# KiCad board SmallDSPMulti.kicad_pcb (continued)
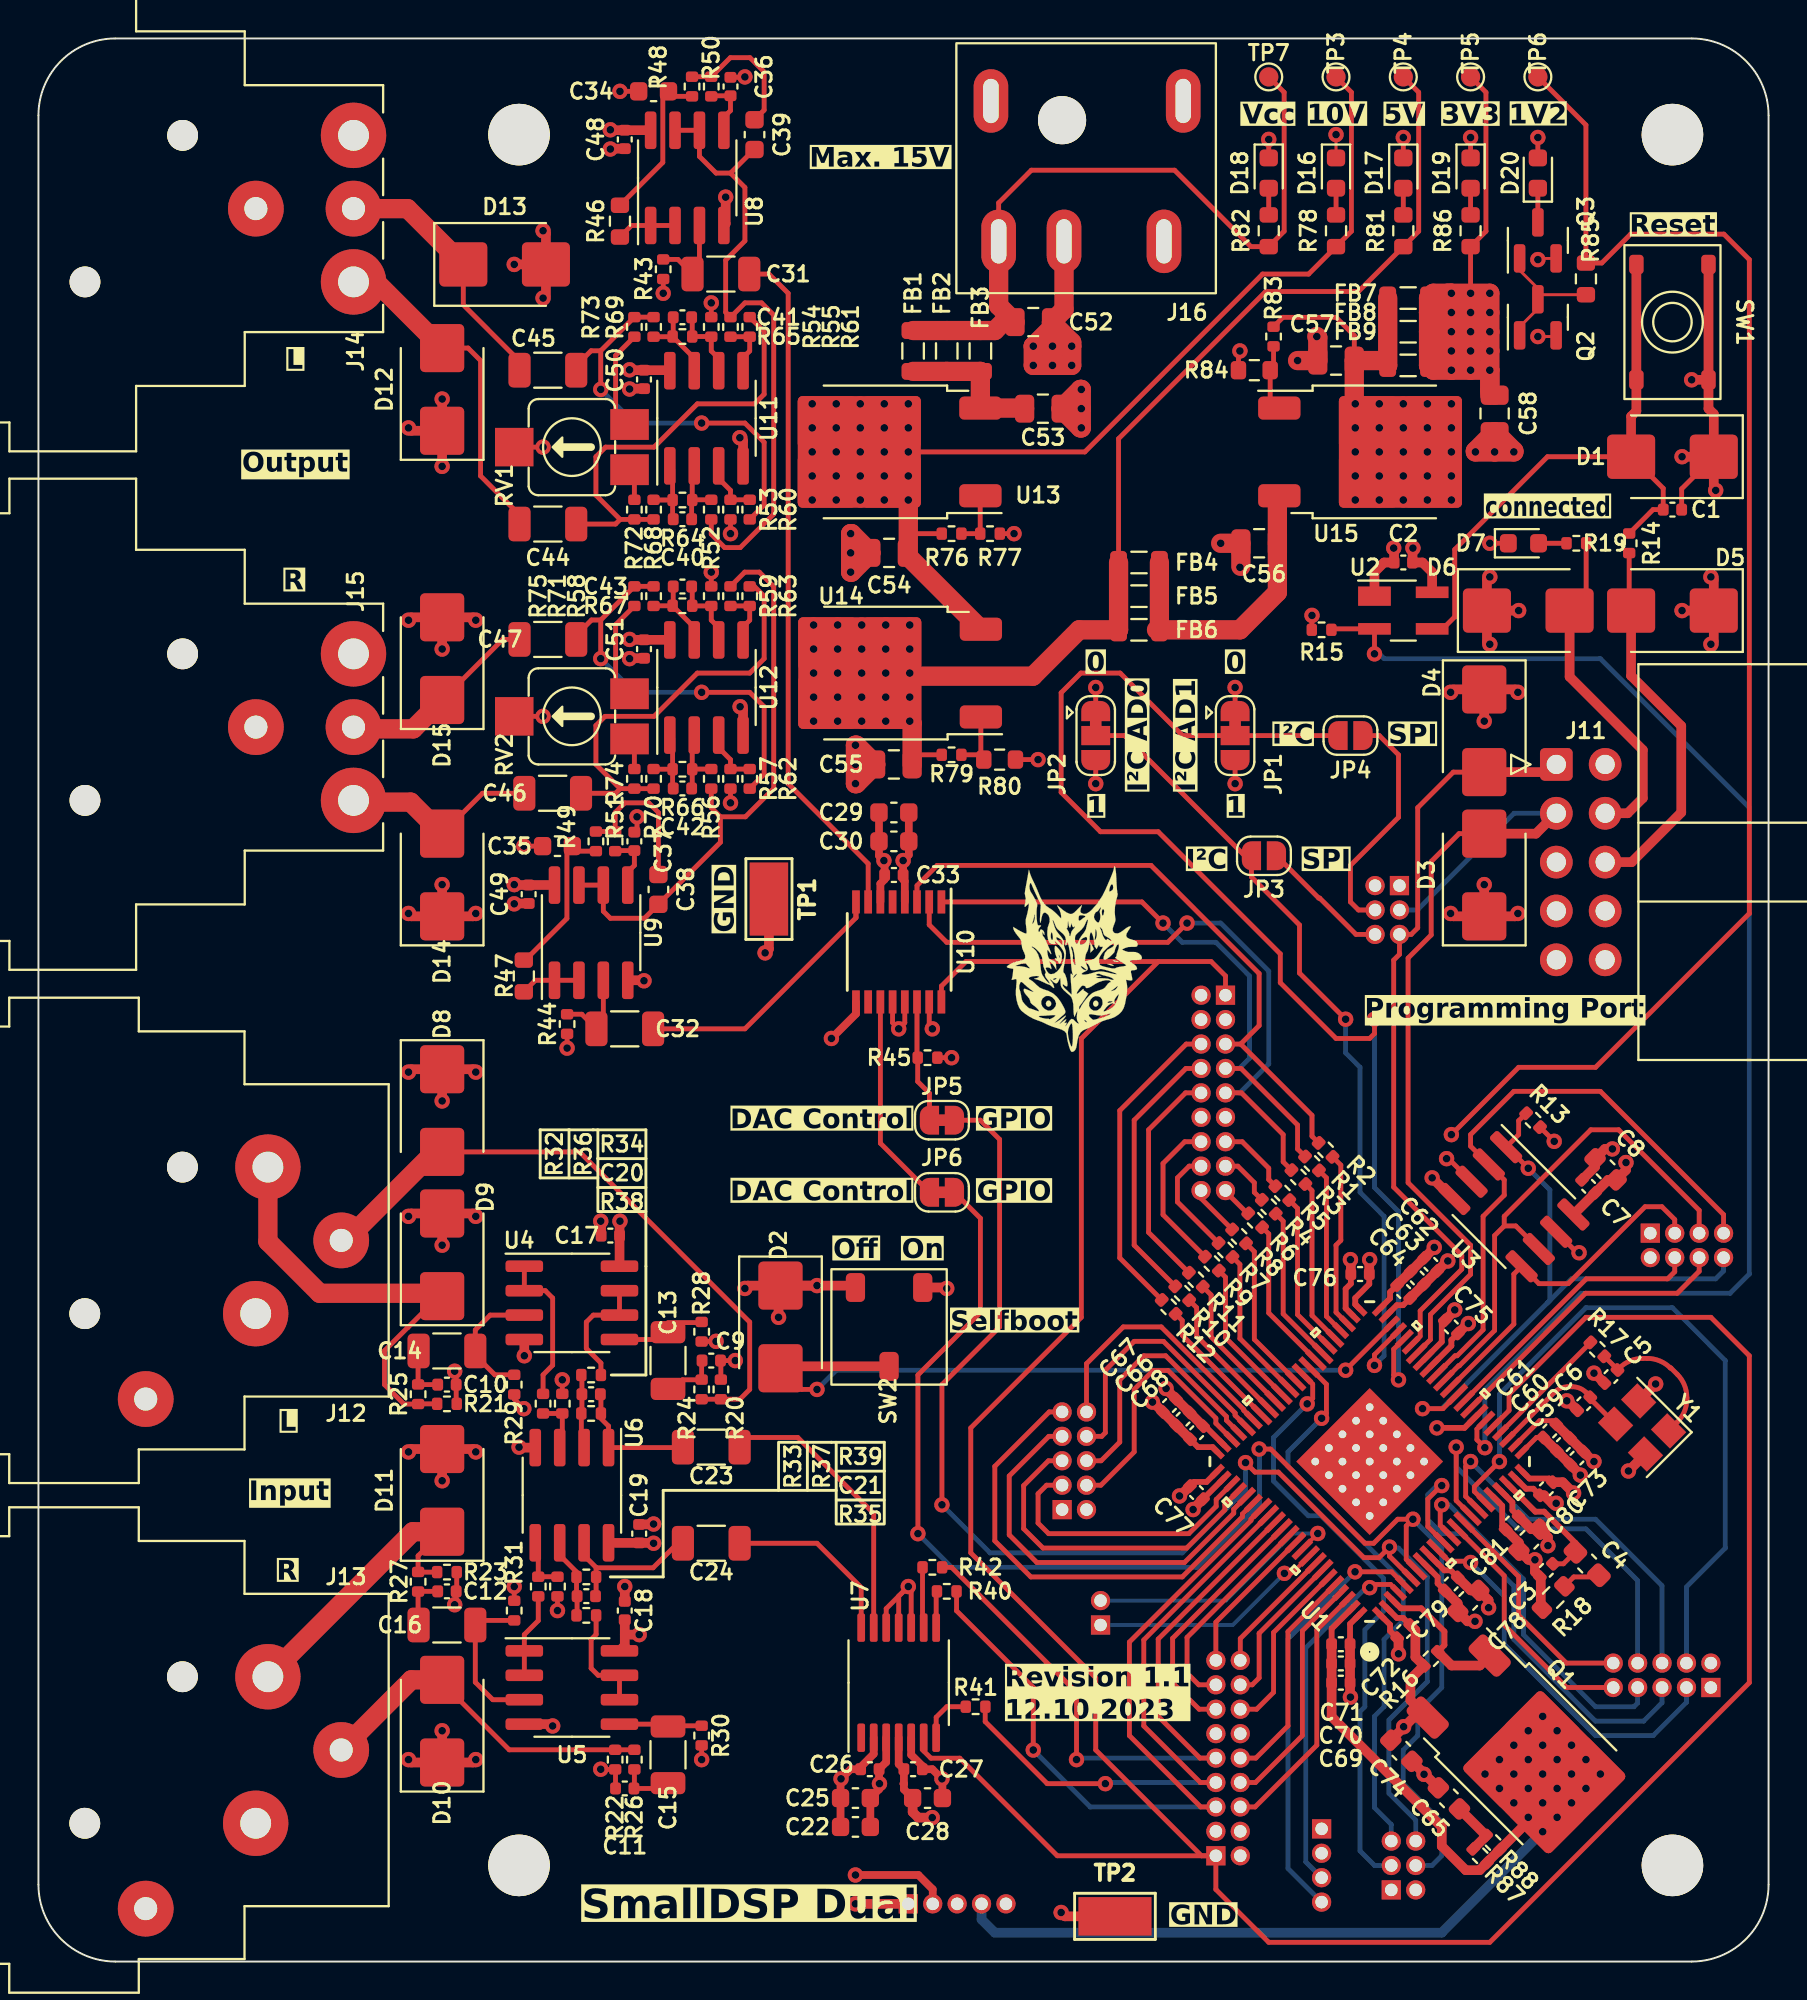
[diagram p0: board, top side]
## Routing (per net, layer and track width the routed paths; a pad name or vN(x,y) marks a point on that pad's centre or on a via; arc(x,y) is an arc through that point) (continued)
/Analog Input/Analog_In_R: length 7.1
  Top w0.25: 29.01,19.03 R39.1 29.01,20.49 ; 29.01,20.49 28.38,21.11 ; 29.01,20.49 29.03,20.47 31.97,20.47 33.25,21.75
/Analog Output/DAC_Out_L: length 35.8
  Top w0.25: C31.1 38,87.75 39,86.75 39,61.25 43.16,57.09 U10.7
/Analog Output/DAC_Out_R: length 14.8
  Top w0.25: 42.53,54.28 36.75,48.5 C32.1 ; 42.53,54.28 U10.8 ; 42.53,54.28 42.53,55.28
/AuxADC0: length 19.9
  Top w0.25: v1(74.5,20.75) 74.43,20.82 73.37,20.82 U1.10
  Bottom w0.25: J6.3 85.73,13.48 84,11.75 81,11.75 76.25,16.5 76.25,19 v1(74.5,20.75)
/AuxADC1: length 25.2
  Top w0.25: U1.11 72.28,22.62 72.28,24.05 72.97,24.75 v1(73,24.75)
  Bottom w0.25: v1(73,24.75) 72.75,24.75 72.28,24.28 72.28,22.97 73,22.25 74.03,22.25 76.75,19.53 76.75,16.75 81,12.5 83.5,12.5 84.46,13.46 J6.5
/AuxADC2: length 19
  Top w0.25: v1(73,23.75) 72.92,23.67 72.92,22.68 U1.12
  Bottom w0.25: J6.7 83.19,13.44 83,13.25 81,13.25 77.25,17 77.25,19.89 73.39,23.75 v1(73,23.75)
/AuxADC3: length 13
  Top w0.25: J6.9 79.5,14.25 76.25,17.5 76.25,20.06 U1.13
/AuxADC4: length 12
  Top w0.25: U1.14 77,20.02 77,18 79.48,15.52 J6.10
/AuxADC5: length 21.1
  Top w0.25: U1.15 73.75,23.97 v1(73.75,26.75)
  Bottom w0.25: J6.8 83.19,19.81 80.5,22.5 76.97,22.5 73.75,25.72 v1(73.75,26.75)
/AuxADC6: length 19.5
  Top w0.25: v1(74.5,26) 74.24,25.74 74.24,24.19 U1.16
  Bottom w0.25: v1(74.5,26) 77.5,23 81,23 84.46,19.54 J6.6
/AuxADC7: length 37.8
  Top w0.25: U1.17 74.69,24.44 74.69,24.69 v1(76,26)
  Bottom w0.25: J6.4 85.73,19.48 87.75,21.5 87.75,31.25 85,34 80.5,34 76,29.5 v1(76,26)
/BCLK_In0: length 41.3
  Top w0.25: J2.5 60.46,8.04 56.75,11.75 56.75,16.61 63.08,22.94 63.08,23.01 U1.73 ; R40.2 47.76,18.24 51.75,14.25 v1(51.75,11)
  Bottom w0.25: v1(51.75,11) 54.71,8.04 J2.5
/BCLK_In1: length 13.2
  Top w0.25: U1.76 59,16.81 59,14.5 60.38,13.12 J2.13
/BCLK_In2: length 6.7
  Top w0.25: U1.81 62.52,16.8 J2.18
/BCLK_In3: length 11.5
  Top w0.25: J2.10 63.33,10.58 65,12.25 65,17.15 U1.84
/BCLK_Out0: length 30.1
  Top w0.25: R1.2 65.5,42.25 65.5,43.5 62.56,46.44 J3.7 ; v1(58.5,54) 57.4,55.1 U10.1
  Bottom w0.25: J3.7 62.47,46.44 63,46.97 63,51.25 61.25,53 59.5,53 v1(58.5,54)
/BCLK_Out1: length 2.9
  Top w0.25: R4.2 63.25,40 63.25,40.5 62.39,41.36 J3.15
/BCLK_Out2: length 5.8
  Top w0.25: R7.2 59.25,39.5 59.25,40.75 59.86,41.36 J3.16
/BCLK_Out3: length 14.1
  Top w0.25: J3.8 59.69,46.44 57,43.75 57,37.25 R10.2
/DAC_Mute: length 6.4
  Top w0.25: U10.14 45.7,47.04 ; R45.1 45.74,45.76 46.35,45.15 JP5.1
/DAC_ZeroFlag: length 11
  Top w0.25: U10.11 43.8,42.55 JP6.1
/GPIO6: length 29.3
  Top w0.25: U1.53 67,30.02 67,28.5 v1(66.75,28.25)
  Bottom w0.25: v1(66.75,28.25) 65,26.5 65,25.75 71,19.75 71,17.75 70,16.75 70,13.25 69.5,12.75 69.5,8 70.38,7.12 J9.5
/GPIO7: length 31.1
  Top w0.25: v1(66,29) 66.29,29.29 66.29,30.02 U1.54
  Bottom w0.25: J9.3 69.5,5 68.75,5.75 68.75,13 69,13.25 69,17.25 69.97,18.22 69.97,19.92 66.72,23.18 66.05,23.18 64.25,24.99 64.25,27.25 v1(66,29)
/GPIO14: length 72.2
  Top w0.25: v1(62.79,25.94) 63.29,25.45 64.5,25.45 68.95,21 69.73,21 v1(70.28,21.55) 70.28,21.08 U1.6 ; JP5.2 49,43.75 50,42.75 50,33 47,30 v1(47,23.75)
  Bottom w0.25: v1(62.79,25.94) 62.79,24.54 59.5,21.25 49.5,21.25 v1(47,23.75) ; v1(70.28,21.55) 70.33,21.5 70.75,21.5 72.25,20 72.25,14.56 70.25,12.56 70.25,8.75 71.65,7.35 J9.6
/GPIO15: length 77.3
  Top w0.25: JP6.2 49,38.65 49,33.75 45.75,30.5 v1(45.75,22.25) ; v1(63.5,26.65) 64.1,26.65 69,21.75 69.46,21.75 70.71,23 v1(71.5,23) 71.15,22.65 71.15,20.92 U1.7
  Bottom w0.25: v1(45.75,22.25) 47.5,20.5 60.25,20.5 63.52,23.77 63.52,26.63 v1(63.5,26.65) ; v1(71.5,23) 73,21.5 73,14.25 71.75,13 71.75,11.75 71,11 71,9.25 73,7.25 73,5.5 72.5,5 71.65,5
/LRCK_In0: length 32.7
  Top w0.25: v1(55.5,9.25) 52.47,9.25 49.25,12.47 49.25,13.24 ; J2.7 60.44,9.31 57.5,12.25 57.5,16.72 U1.74
  Bottom w0.25: v1(55.5,9.25) 55.56,9.31 J2.7
/LRCK_In1: length 11.1
  Top w0.25: U1.77 59.75,16.85 59.75,15 60.36,14.39 J2.15
/LRCK_In2: length 8.1
  Top w0.25: J2.16 63.14,14.39 63.5,14.75 63.5,17.07 U1.82
/LRCK_In3: length 12.5
  Top w0.25: U1.85 65.75,17.2 65.75,11.75 63.31,9.31 J2.8
/LRCK_Out0: length 33.1
  Top w0.25: U10.3 45.7,55.95 46.75,57 57.88,57 63.5,51.38 63.5,48.67 62.54,47.71 ; R2.2 66.25,42.91 66.25,44 62.54,47.71 ; 62.54,47.71 J3.5
/LRCK_Out1: length 3.9
  Top w0.25: J3.13 62.62,42.63 64,41.25 64,40.66 R5.2
/LRCK_Out2: length 2.7
  Top w0.25: R8.2 60.48,39.68 J3.18
/LRCK_Out3: length 11.8
  Top w0.25: J3.10 59.67,45.17 57.75,43.25 57.75,37.91 R11.2
/M_MOSI: length 18.8
  Top w0.25: J8.3 85.12,38.58 84.45,39.25 83.57,39.25 79.57,35.25 78.06,35.25 U3.5 76.75,35.75 76.75,33.15 U1.33
/M_SCL1/SCLK: length 27.1
  Top w0.25: 76.25,38.25 75.75,37.75 75.75,32.82 73.91,30.98 73.88,30.98 U1.34 ; 76.25,38.25 76.25,38.75 80.75,43.25 82.2,43.25 86.39,39.06 J8.5 ; 76.25,38.25 76.85,38.25 U3.6
/M_SDA1/MISO: length 32.4
  Top w0.25: U1.35 73.69,31.5 73.8,31.5 75.15,32.85 75.15,38.75 76.25,39.85 76.25,40.65 U3.2 74.5,42.4 74.5,43 76.75,45.25 81.25,45.25 87.66,38.84 J8.7
/M_SDA2: length 14.5
  Top w0.25: U1.31 80.52,35.5 84.75,35.5 85.12,35.87 J8.4
/M_SDL2: length 15.5
  Top w0.25: J8.6 86.39,35.89 85.25,34.75 80.47,34.75 U1.30
/MCLK: length 162.1
  Top w0.25: 58.25,52 48.25,52 46.97,50.72 U10.16 ; 58.25,52 61,52 61.75,51.25 J3.1 ; 58.25,52 54.25,48 54.25,33.5 48.5,27.75 48.5,21.25 55,14.75 55,11 60.5,5.5 J2.1 ; U1.27 76.5,28.65 76.5,29.5 80.5,33.5 87,33.5 89,31.5 89,14.5 75.5,1 64,1 61.25,3.75 J2.1 ; J2.1 53,5.5 47.93,10.57 46.42,10.57 46.05,10.95 U7.6
/RST_PGRM: length 19.5
  Top w0.25: R14.2 82.75,70.35
  Top w0.5: D5.2 82.85,66.86 85.46,64.25 85.46,59.75 82.88,57.17 J11.6
/S_MOSI: length 12.4
  Top w0.25: J7.4 68.67,54.68 68.25,55.1 68.25,57 70.75,59.5 70.75,62.75 69.75,63.75 JP4.1
/S_SCL: length 39
  Top w0.25: D4.2 73.6,61.85 71.75,60 71.75,53.75 71.41,53.41 J7.5 70.8,52.38 70.5,52.08 70.5,40.27 74.04,36.73 74.04,36 71.88,33.84 71.88,32.52 U1.39
  Top w0.5: D4.2 78.56,61.85
/S_SDA/MISO: length 46.4
  Top w0.25: U1.38 72.41,32.34 72.41,33.64 74.5,35.73 74.5,37.25 71.25,40.5 71.25,52.18 72.45,53.38 72.45,57.2 73.9,58.65 D3.2
  Top w0.5: D3.2 77.9,58.65 J11.3
  Bottom w0.25: J11.3 76.76,59.71 71.73,54.68 J7.3
/SDATA_In0: length 37
  Top w0.25: R42.2 47.5,20.5 54,14 v1(54,10.5) ; U1.75 58.25,16.77 58.25,12.75 60.42,10.58 J2.9
  Bottom w0.25: J2.9 54.08,10.58 v1(54,10.5)
/SDATA_In1: length 7.8
  Top w0.25: J2.17 61.25,17.65 U1.78
/SDATA_In2: length 9.2
  Top w0.25: U1.83 64.25,17.11 64.25,14 63.37,13.12 J2.14
/SDATA_In3: length 13.6
  Top w0.25: U1.86 66.5,17.24 66.5,11.25 63.29,8.04 J2.6
/SDATA_IO0: length 24.5
  Top w0.25: U1.72 62.63,23.27 62.63,23.13 59.5,20 51.62,20 49.75,21.88 49.75,25.75 52.58,28.58 J5.9
/SDATA_IO1: length 21.2
  Top w0.25: J5.7 52.56,27.31 50.5,25.25 50.5,22.19 51.94,20.75 59.62,20.75 62.18,23.31 62.18,23.53 U1.71
/SDATA_IO2: length 17.8
  Top w0.25: U1.70 61.72,23.77 61.72,23.49 59.73,21.5 52.26,21.5 51.25,22.51 51.25,24.75 52.54,26.04 J5.5
/SDATA_IO3: length 14.6
  Top w0.25: J5.3 52.44,24.77 52,24.33 52,22.8 52.55,22.25 59.84,22.25 61.27,23.67 61.27,24.03 U1.69
/SDATA_IO4: length 13.6
  Top w0.25: U1.64 61.25,27.99 61.25,28.25 58.77,30.73 57.98,30.73 57,29.75 57,26.5 55.27,24.77 J5.4
/SDATA_IO5: length 13.8
  Top w0.25: U1.63 61.8,28.15 61.8,28.34 58.64,31.5 57.5,31.5 56.25,30.25 56.25,27.01 55.28,26.04 J5.6
/SDATA_IO6: length 14.2
  Top w0.25: J5.8 55.31,27.31 55.5,27.5 55.5,30.75 57,32.25 58.52,32.25 62.25,28.52 62.25,28.4 U1.62
/SDATA_IO7: length 14
  Top w0.25: J5.10 54.52,31.09 56.43,33 58.41,33 62.7,28.71 62.7,28.66 U1.61
/SDATA_Out0: length 34.3
  Top w0.25: R3.2 64.75,41.59 64.75,43 62.58,45.17 J3.9 ; v1(59.75,54) 58.75,53 47.25,53 46.34,53.91 U10.2
  Bottom w0.25: v1(59.75,54) 61.5,54 64,51.5 64,46.67 62.5,45.17 J3.9
/SDATA_Out1: length 1.6
  Top w0.25: 62.89,38.9 61.75,40.04
/SDATA_Out2: length 8.2
  Top w0.25: R9.2 58.5,38.84 58.5,41.5 59.63,42.63 J3.14
/SDATA_Out3: length 16.4
  Top w0.25: R12.2 56.25,36.59 56.25,44.25 59.71,47.71 J3.6
/SPDIT_In: length 18.7
  Top w0.25: v1(69.25,19.44) 69.41,19.61 70.34,19.61 U1.4
  Bottom w0.25: J4.3 65.93,5.19 65.93,16.31 69.06,19.44 v1(69.25,19.44)
/SPDIT_Out: length 22.2
  Top w0.25: U1.5 70.39,20.27 v1(68.49,20.27)
  Bottom w0.25: v1(68.49,20.27) 65,16.78 65,4.84 J4.4
/Tmp+: length 12.3
  Top w0.2: U1.80 65.2,20.19 v1(64.81,20.19)
  Bottom w0.2: J10.1 62.13,17.5 v1(64.81,20.19)
/Tmp-: length 13.9
  Top w0.2: 65.75,21.46 v1(66.55,22.26)
  Bottom w0.2: J10.2 61.77,18.77 65.26,22.26 v1(66.55,22.26)
/~{DSP_RST}: length 71.6
  Top w0.25: U1.28 74.83,27.69 74.83,27.14 v1(75.24,26.72) ; v1(69.5,68) U2.2 67.31,69.3
  Bottom w0.25: v1(75.24,26.72) 75.24,29.74 80.25,34.75 88,34.75 89,35.75 89,60 81.25,67.75 70,67.75 69.75,68 v1(69.5,68)
/~{M_CS}: length 32.7
  Top w0.25: U1.32 73.06,28.75 v1(72,28.75) ; R13.1 77,43.72 77,43 76.35,42.35 ; 76.4,42.35 v1(77.5,41.25)
  Bottom w0.25: J8.8 87.66,35.91 87.25,35.5 79.75,35.5 78.5,34.25 ; v1(72,28.75) 73,28.75 78.5,34.25 ; 78.5,34.25 78.62,34.38 78.62,40.12 v1(77.5,41.25)
/~{S_CS}: length 6.8
  Top w0.25: J7.6 68.54,53.41 66.65,55.3 66.6,55.3 JP3.1
Net-(C4-Pad2): length 1.8
  Top w0.25: 79.44,19.57 79.87,20 81.09,20
Net-(C5-Pad1): length 7.8
  Top w0.25: R17.2 82.14,30.79 ; Y1.1 85.25,28.05 arc(85.62,28.6) 85.75,29.25 85.75,29.33 arc(85.62,29.98) 85.25,30.53 84.92,30.87 84.89,30.87 arc(84.34,31.23) 83.69,31.36 83.45,31.36 arc(82.8,31.23) 82.25,30.87
Net-(C10-Pad1): length 2.7
  Top w0.25: R25.2 19.75,31.72 ; C10.1 19.76,30
Net-(C11-Pad1): length 2.5
  Top w0.25: C11.1 32.47,9 ; R26.2 31,9.02
Net-(C12-Pad1): length 2
  Top w0.25: C12.1 19.76,19.25 ; 19.78,18.28 19.75,18.3 R27.2
Net-(C13-Pad1): length 2.6
  Top w0.25: 34.49,30.25 33.5,30.25 33.03,29.78 ; R24.1 34.5,31.23
Net-(C34-Pad2): length 7.5
  Top w0.25: R48.2 33.03,96.99 ; 32.48,96.95 32.48,93.55 R46.1
Net-(C35-Pad2): length 7.5
  Top w0.25: 27.49,57.72 27.49,54.24 25.32,52.08 ; R49.2 28.03,57.74
Net-(C38-Pad1): length 7.9
  Top w0.25: C38.1 32.25,59.75 31.75,60.25 30.5,60.25 30,59.75 R51.2 R49.1
Net-(C39-Pad1): length 7.2
  Top w0.25: C39.1 37.75,96.28 37.75,98.26 37.01,99 35.99,99 R50.2 R48.1
Net-(C40-Pad1): length 3.6
  Top w0.25: R64.1 32.99,75.03 ; R64.1 32.01,76 ; R64.1 32.99,77.63
Net-(C41-Pad1): length 3.5
  Top w0.25: C41.1 33.02,84.53 ; 34.12,83.38 R65.1 ; R69.2 32.98,84.49
Net-(C42-Pad1): length 3.6
  Top w0.25: R66.1 32.01,62 ; R66.1 32.99,63.63 ; R66.1 32.99,61.03
Net-(C43-Pad1): length 3.5
  Top w0.25: 32.01,70.5 R67.1 34.12,69.38 ; C43.1 33.02,70.53
Net-(C44-Pad1): length 22.3
  Top w0.25: 30.26,74.99 29,76.25 29,78.25 29.5,78.75 32.03,78.75 34.28,81 37.25,81 37.75,81.5 37.75,84.76 R61.2 ; 30.26,74.99 30.02,74.75 C44.1 ; 30.26,74.99 R72.1 R68.1
Net-(C45-Pad1): length 21
  Top w0.25: R60.2 37.75,75.74 37.75,79 36.75,80 v1(34.5,80) ; 29.25,83.76 R73.2 R69.1 ; 29.25,83.76 v1(29.25,81.75) ; 29.25,83.76 28.75,83.76 27.97,82.99
  Bottom w0.25: v1(29.25,81.75) 31,80 v1(34.5,80)
Net-(C46-Pad1): length 22.1
  Top w0.25: 30.26,60.99 30.02,60.75 C46.1 ; 30.26,60.99 R74.1 R70.1 ; 30.26,60.99 29,62.25 29,64.28 29.47,64.75 32.03,64.75 34.28,67 37,67 37.75,67.75 37.75,71 37.24,71.51 R63.2
Net-(C47-Pad1): length 21.2
  Top w0.25: 27.97,68.97 28.77,69.76 29.25,69.76 ; v1(34.5,66) 37,66 37.75,65.25 37.75,61.74 R62.2 ; 29.25,69.76 R75.2 R71.1 ; 29.25,69.76 v1(29.25,67.75)
  Bottom w0.25: v1(29.25,67.75) 31,66 v1(34.5,66)
Net-(C65-Pad1): length 2.9
  Top w0.5: 75.31,6.53 R87.2 ; C65.1 R88.2
Net-(D1-A2): length 31.4
  Top w0.25: 82.88,78.25 84.52,76.61 C1.1 83.99,75.5 R14.1 ; 73.05,69.3 73.68,69.92 73.68,73.42 78.5,78.25 D1.2
  Top w0.5: SW1.2 SW1.2 83.12,80.62 82.85,80.35 D1.2
Net-(D2-A2): length 39.2
  Top w0.25: v1(40.5,29.75) 39.7,29.75 D2.2 ; v1(68,30.75) 68,30.76 U1.42
  Top w0.5: 38.7,30.95 SW2.2
  Bottom w0.25: v1(40.5,29.75) 41.5,30.75 v1(68,30.75)
Net-(D7-A): length 1.5
  Top w0.25: R19.2 D7.2
Net-(D8-A2): length 32.4
  Top w0.25: D8.2 28.15,42.1 37,33.25 37,29.75 36.49,29.24 R20.1 R24.2
  Top w1: 16,37.5 20.6,42.1
Net-(D9-A1): length 22.8
  Top w0.25: R21.1 19.76,29 ; R25.1 19.01,28.99 18,30 18,31.76 19.21,32.97 19.22,32.97 20.85,34.6
  Top w1: J12.2 11.94,37.44 14.63,34.75 20.85,34.75
Net-(D10-A2): length 18.2
  Top w0.25: 21,14.5 24.49,11.01 R22.1 R26.1
  Top w1: J13.3 19.4,14.65 D10.2
Net-(D11-A1): length 15.8
  Top w0.25: R23.1 19.76,20.25 ; R27.1 19.75,21.1 D11.1
  Top w1: D11.1 19.47,22.35 J13.2
Net-(D12-A2): length 16
  Top w0.25: 25.03,75.22 23,77.25 23,83.25 22.35,83.9 D12.2
  Top w1: 17.56,87.34 D12.2
Net-(D13-A1): length 13.1
  Top w0.25: D13.1 22.1,86.15 25.03,83.22
  Top w1: J14.3 19.2,91.15 D13.1
Net-(D14-A2): length 10.4
  Top w0.25: C46.2 23.1,60.75 D14.2
  Top w1: D14.2 19.36,60.29 16.39,60.29
Net-(D15-A1): length 10.6
  Top w0.25: C47.2 24.15,68.75 D15.1
  Top w1: 16.39,64.1 19.5,64.1 D15.1
Net-(D16-A): length 1.4
  Top w0.25: D16.2 R78.2
Net-(D17-A): length 1.4
  Top w0.25: R81.2 D17.2
Net-(D18-A): length 1.4
  Top w0.25: D18.2 R82.2
Net-(D19-A): length 1.4
  Top w0.25: R86.2 D19.2
Net-(D20-K): length 2
  Top w0.25: D20.1 78,90.19
Net-(JP1-C): length 66.4
  Top w0.25: U1.40 70.5,31.85 70.5,30.5 v1(70.75,30.25) ; JP4.2 JP1.2 59.52,63.75 56.27,67 54.22,67 53.2,65.98 53.2,60.8 55.25,58.75 58.25,58.75 64.6,52.4 64.6,50.9 67.5,48 69.25,48 69.5,48.25 v1(69.5,49)
  Bottom w0.25: v1(70.75,30.25) 70.75,39 69.5,40.25 v1(69.5,49)
Net-(JP2-C): length 42.6
  Top w0.25: U1.41 69.5,31.55 v1(69.5,31) ; v1(68,49) 65.6,51.4 65.6,53.9 63.1,56.4 JP3.2 62.75,57.5 56.5,63.75 JP2.2
  Bottom w0.25: v1(69.5,31) 70,31.5 70,38.75 68.75,40 68.75,46.5 68,47.25 v1(68,49)
Net-(Q1-B): length 7.8
  Top w0.3: R16.2 73.14,16.45 73.14,17.16 71.93,18.37 70.87,18.37 U1.3
  Top w0.5: R16.2 73.51,15.39 74.98,15.39 Q1.1
Net-(Q2-B): length 5.3
  Top w0.15: R85.2 78.24,86.67 Q2.3 ; 77.1,85.05 78.05,86 ; 77.05,87.95 78,87
Net-(R72-Pad2): length 1.3
  Top w0.25: R72.2 31,77.33
Net-(R73-Pad1): length 5.3
  Top w0.25: R73.1 30.03,83.52 30.03,80.65 RV1.3
Net-(R74-Pad2): length 1.3
  Top w0.25: R74.2 31,63.33
Net-(R75-Pad1): length 5.3
  Top w0.25: R75.1 30.03,69.52 30.03,66.65 RV2.3
Net-(U1A-PLLFlt): length 6.7
  Top w0.25: C3.2 79.33,20.68 C4.1
  Top w0.3: C4.1 79.95,21.77 78.33,23.39 77.87,23.39 U1.20
Net-(U1A-Xtal_In/MCLK_In): length 7.4
  Top w0.25: 80.73,29.26 Y1.3 ; U1.25 78.86,29.6 arc(79.18,29.81) 79.56,29.89 79.8,29.89 arc(80.18,29.81) 80.5,29.6 80.73,29.37
Net-(U1A-Xtal_Out): length 6.6
  Top w0.25: U1.26 80.73,32.18
Net-(U1C-BCLK_Out0): length 8.8
  Top w0.25: U1.48 67,33.55 67,40.75 R1.1
Net-(U1C-BCLK_Out1): length 8.3
  Top w0.25: R4.1 64.75,38.5 64.75,33.68 U1.51
Net-(U1C-BCLK_Out2): length 8
  Top w0.25: U1.56 62.5,32.4 62.5,36.25 R7.1
Net-(U1C-BCLK_Out3): length 7.3
  Top w0.25: R10.1 60.25,34 60.25,32.53 U1.59
Net-(U1C-LRCK_Out0/GPIO4): length 9.2
  Top w0.25: R2.1 67.75,41.41 67.75,37.5 67.5,37.25 67.5,33.76 U1.47
Net-(U1C-LRCK_Out1/GPIO5): length 8.4
  Top w0.25: R5.1 65.5,39.16 65.5,33.64 U1.50
Net-(U1C-LRCK_Out2/GPIO8): length 8.2
  Top w0.25: R8.1 63.25,36.91 63.25,32.35 U1.55
Net-(U1C-LRCK_Out3/GPIO9): length 7.5
  Top w0.25: R11.1 61,34.66 61,32.48 U1.58
Net-(U1C-SDATA_Out0): length 8.7
  Top w0.25: R3.1 66.25,40.09 66.25,33.6 U1.49
Net-(U1C-SDATA_Out1): length 8.1
  Top w0.25: U1.52 64,33.72 64,37.84 R6.1
Net-(U1C-SDATA_Out2): length 7.8
  Top w0.25: U1.57 61.75,32.44 61.75,35.59 R9.1
Net-(U1C-SDATA_Out3): length 7.1
  Top w0.25: U1.60 59.5,32.57 59.5,33.34 R12.1
Net-(U4A-+): length 6.4
  Top w0.25: R29.2 23.74,30.51 22.72,31.53 ; C14.2 22.72,32.84 23.5,33.61 U4.3
Net-(U4A--): length 8.1
  Top w0.25: R32.2 26.25,30.51 26.75,31.01 26.75,34.5 26.37,34.89 U4.2 U4.1
Net-(U4B-+): length 3.9
  Top w0.25: U4.5 32.37,32.34 ; 32.75,33.22 34.47,33.22
Net-(U4B--): length 6
  Top w0.25: 29.26,30.75 29.26,31.12 28.5,31.88 28.5,33.25 28.87,33.61 U4.6 U4.7
Net-(U5A-+): length 7.9
  Top w0.25: C16.2 22.72,14.53 23.64,13.62 U5.3 ; 22.72,17.72 22.74,17.74 R31.2
Net-(U5A--): length 4.4
  Top w0.25: R33.2 26,17.72 25.28,17 U5.1 U5.2
Net-(U5B-+): length 4.4
  Top w0.25: 29.97,12.34 32.63,12.34 ; R30.2 32.78,12.26
Net-(U5B--): length 5.8
  Top w0.25: R35.2 29.01,17.01 28.75,16.75 28.75,15.25 29.12,14.88 U5.7 U5.6
Net-(U6A-+): length 2.9
  Top w0.25: R32.1 R36.1 27.25,26.62
Net-(U6A--): length 3.9
  Top w0.25: 28.27,29.75 28.27,28.78 28.24,28.75 28.24,26.87 ; C20.2 28.27,30.47
Net-(U6B-+): length 2.6
  Top w0.25: 26,21.62 R33.1 R37.1
Net-(U6B--): length 3.4
  Top w0.25: C21.2 28.02,18.03 ; 27.12,21.14 27.99,20.26 R39.2 27.99,19.03
Net-(U7-BCLK): length 1.8
  Top w0.25: U7.8 46.7,19.21
Net-(U7-In_L): length 14.8
  Top w0.25: C23.2 36.97,27.25 39.5,27.25 43.45,23.3 U7.13
Net-(U7-In_R): length 9.4
  Top w0.25: C24.2 40.5,21.75 42.8,19.45 U7.14
Net-(U7-LRCK): length 2.8
  Top w0.25: U7.7 46.7,12.7 47.25,13.25 R41.1
Net-(U7-SDATA): length 3.1
  Top w0.25: R42.1 45.99,17.42
Net-(U8A-+): length 4
  Top w0.25: R43.2 33.26,88.51 C31.2 ; U8.3 34.38,88.11
Net-(U8A--): length 3.1
  Top w0.25: U8.2 U8.1 30.85,90.28 R46.2
Net-(U8B-+): length 2.2
  Top w0.25: 35.66,95.91 36,96.25 C36.2 35.03,97.02
Net-(U8B--): length 32.8
  Top w0.25: R52.2 35,74.22 35.7,73.53 36.51,73.53 38.25,75.27 38.25,85.62 37.62,86.25 36.75,86.25 36.01,85.51 ; 36,93 35.25,93 34.38,93.87 U8.6 U8.7 ; 36,93 37.22,94.22 ; 36,93 36.75,92.25 36.75,89.47 35.75,88.47 35.75,85.76 R55.2
Net-(U9A-+): length 4
  Top w0.25: R44.2 28.26,49.26 C32.2 ; U9.3 29.38,48.86
Net-(U9A--): length 3.1
  Top w0.25: R47.2 25.85,51.03 U9.1 U9.2
Net-(U9B-+): length 2.2
  Top w0.25: 30.66,56.66 31,57 C37.2 30.03,57.77
Net-(U9B--): length 30.2
  Top w0.25: U9.7 U9.6 29.38,54.61 29.75,54.25 31.53,54.25 35.47,58.2 35.47,59.53 ; 35.47,59.53 36.78,59.53 38.25,61 38.25,71.5 37.5,72.25 36.74,72.25 R59.2 ; 35.47,59.53 35,60 R56.2
Net-(U11A-+): length 2.4
  Top w0.25: 35.38,77.11 36,76.5 R53.1 R60.1
Net-(U11A--): length 3.6
  Top w0.25: C40.2 33.98,75.97 ; R64.2 34.01,77.67 ; R52.1 34.02,76.01
Net-(U11B-+): length 2.2
  Top w0.25: 36.66,83.41 37,83.75 R61.1 R55.1
Net-(U11B--): length 3.2
  Top w0.25: R54.1 35,83.75 35.38,83.37 ; 34.01,85.47 R65.2 34.99,84.5
Net-(U12A-+): length 2.4
  Top w0.25: 35.38,63.11 36,62.5 R57.1 R62.1
Net-(U12A--): length 3.6
  Top w0.25: 34.01,63.67 R66.2 34.01,61.03 ; R56.1 34.02,62.01
Net-(U12B-+): length 2.2
  Top w0.25: R59.1 R63.1 37,69.75 36.66,69.41
Net-(U12B--): length 3.2
  Top w0.25: R67.2 34.01,71.47 ; 34.02,70.49 R58.1 35,69.75 35.38,69.36
Net-(U13-ADJ): length 2.9
  Top w0.25: R76.2 R77.1 48.99,76.21
Net-(U13-VI): length 7.6
  Top w1: C53.1 51.27,80.78 49.2,80.78 49,80.98 FB3.2 FB2.2 FB1.2
Net-(U14-ADJ): length 3
  Top w0.25: R79.2 48.93,62.75 ; U14.1 49.03,62.65
Net-(U15-ADJ): length 2.6
  Top w0.25: R83.2 64.25,82.92 ; R84.1 64.07,81.25
Net-(U15-VI): length 15.5
  Top w1: 58.16,69.25 62.5,69.25 64.45,71.2 C56.1 64.45,76.12 ; FB4.2 FB6.2
Net-(U15-VO): length 13.7
  Top w0.25: R83.1 64.74,85.5 67.5,85.5 68.45,84.55 C57.1
  Top w1: v1(68.5,81) 68.45,81.05 C57.1 69.94,83.25 FB9.1 FB7.1
  vias: v1(68.5,79.75) v1(68.5,78.5) v1(68.5,77.25) v1(68.5,76) v1(69.75,81) v1(69.75,79.75) v1(69.75,78.5) v1(69.75,77.25) v1(69.75,76) v1(71,81) v1(71,79.75) v1(71,78.5) v1(71,77.25) v1(71,76) v1(72.25,81) v1(72.25,79.75) v1(72.25,78.5) v1(72.25,77.25) v1(72.25,76) v1(73.5,81) v1(73.5,79.75) v1(73.5,78.5) v1(73.5,77.25) v1(73.5,76)

## Copper pours and planes (outline as drawn; the poured copper is in the pictures)
+1V2 on Bottom, In2.Cu: 72.5,11.25 75.75,14.25 90,14.25 90,0 72.5,0
+3V3 on In2.Cu: 90,100 90,0 46,0 46,63 65.5,63 65.5,99.75
+5V on Bottom: -0.25,0 44,0 44,64 46,64 46,70 39.25,70 39.25,100 -0.25,100
+10V on In2.Cu: -0.25,0 44,0 44,64 46,64 46,81.5 39.25,81.5 39.25,100 -0.25,100
GND on In1.Cu: 0,100 0,0 90,0 90,100
Net-(U15-VO) on Bottom: 65.5,73 65.5,100 90,100 90,73

## Text on the board
F.Silkscreen: connected | Revision 1.1 / 12.10.2023 | R | L | Input | Output | DAC Control | Off | Max. 15V | On | GPIO | Selfboot | 0 | 1 | GND | I²C | Vcc | SPI | 10V | 5V | 3V3 | Programming Port | 1V2 | Reset | I²C AD0 | I²C AD1 | SmallDSP Dual
